# Altium PCB PCB.PcbDoc (part 1 of 2) (continued)
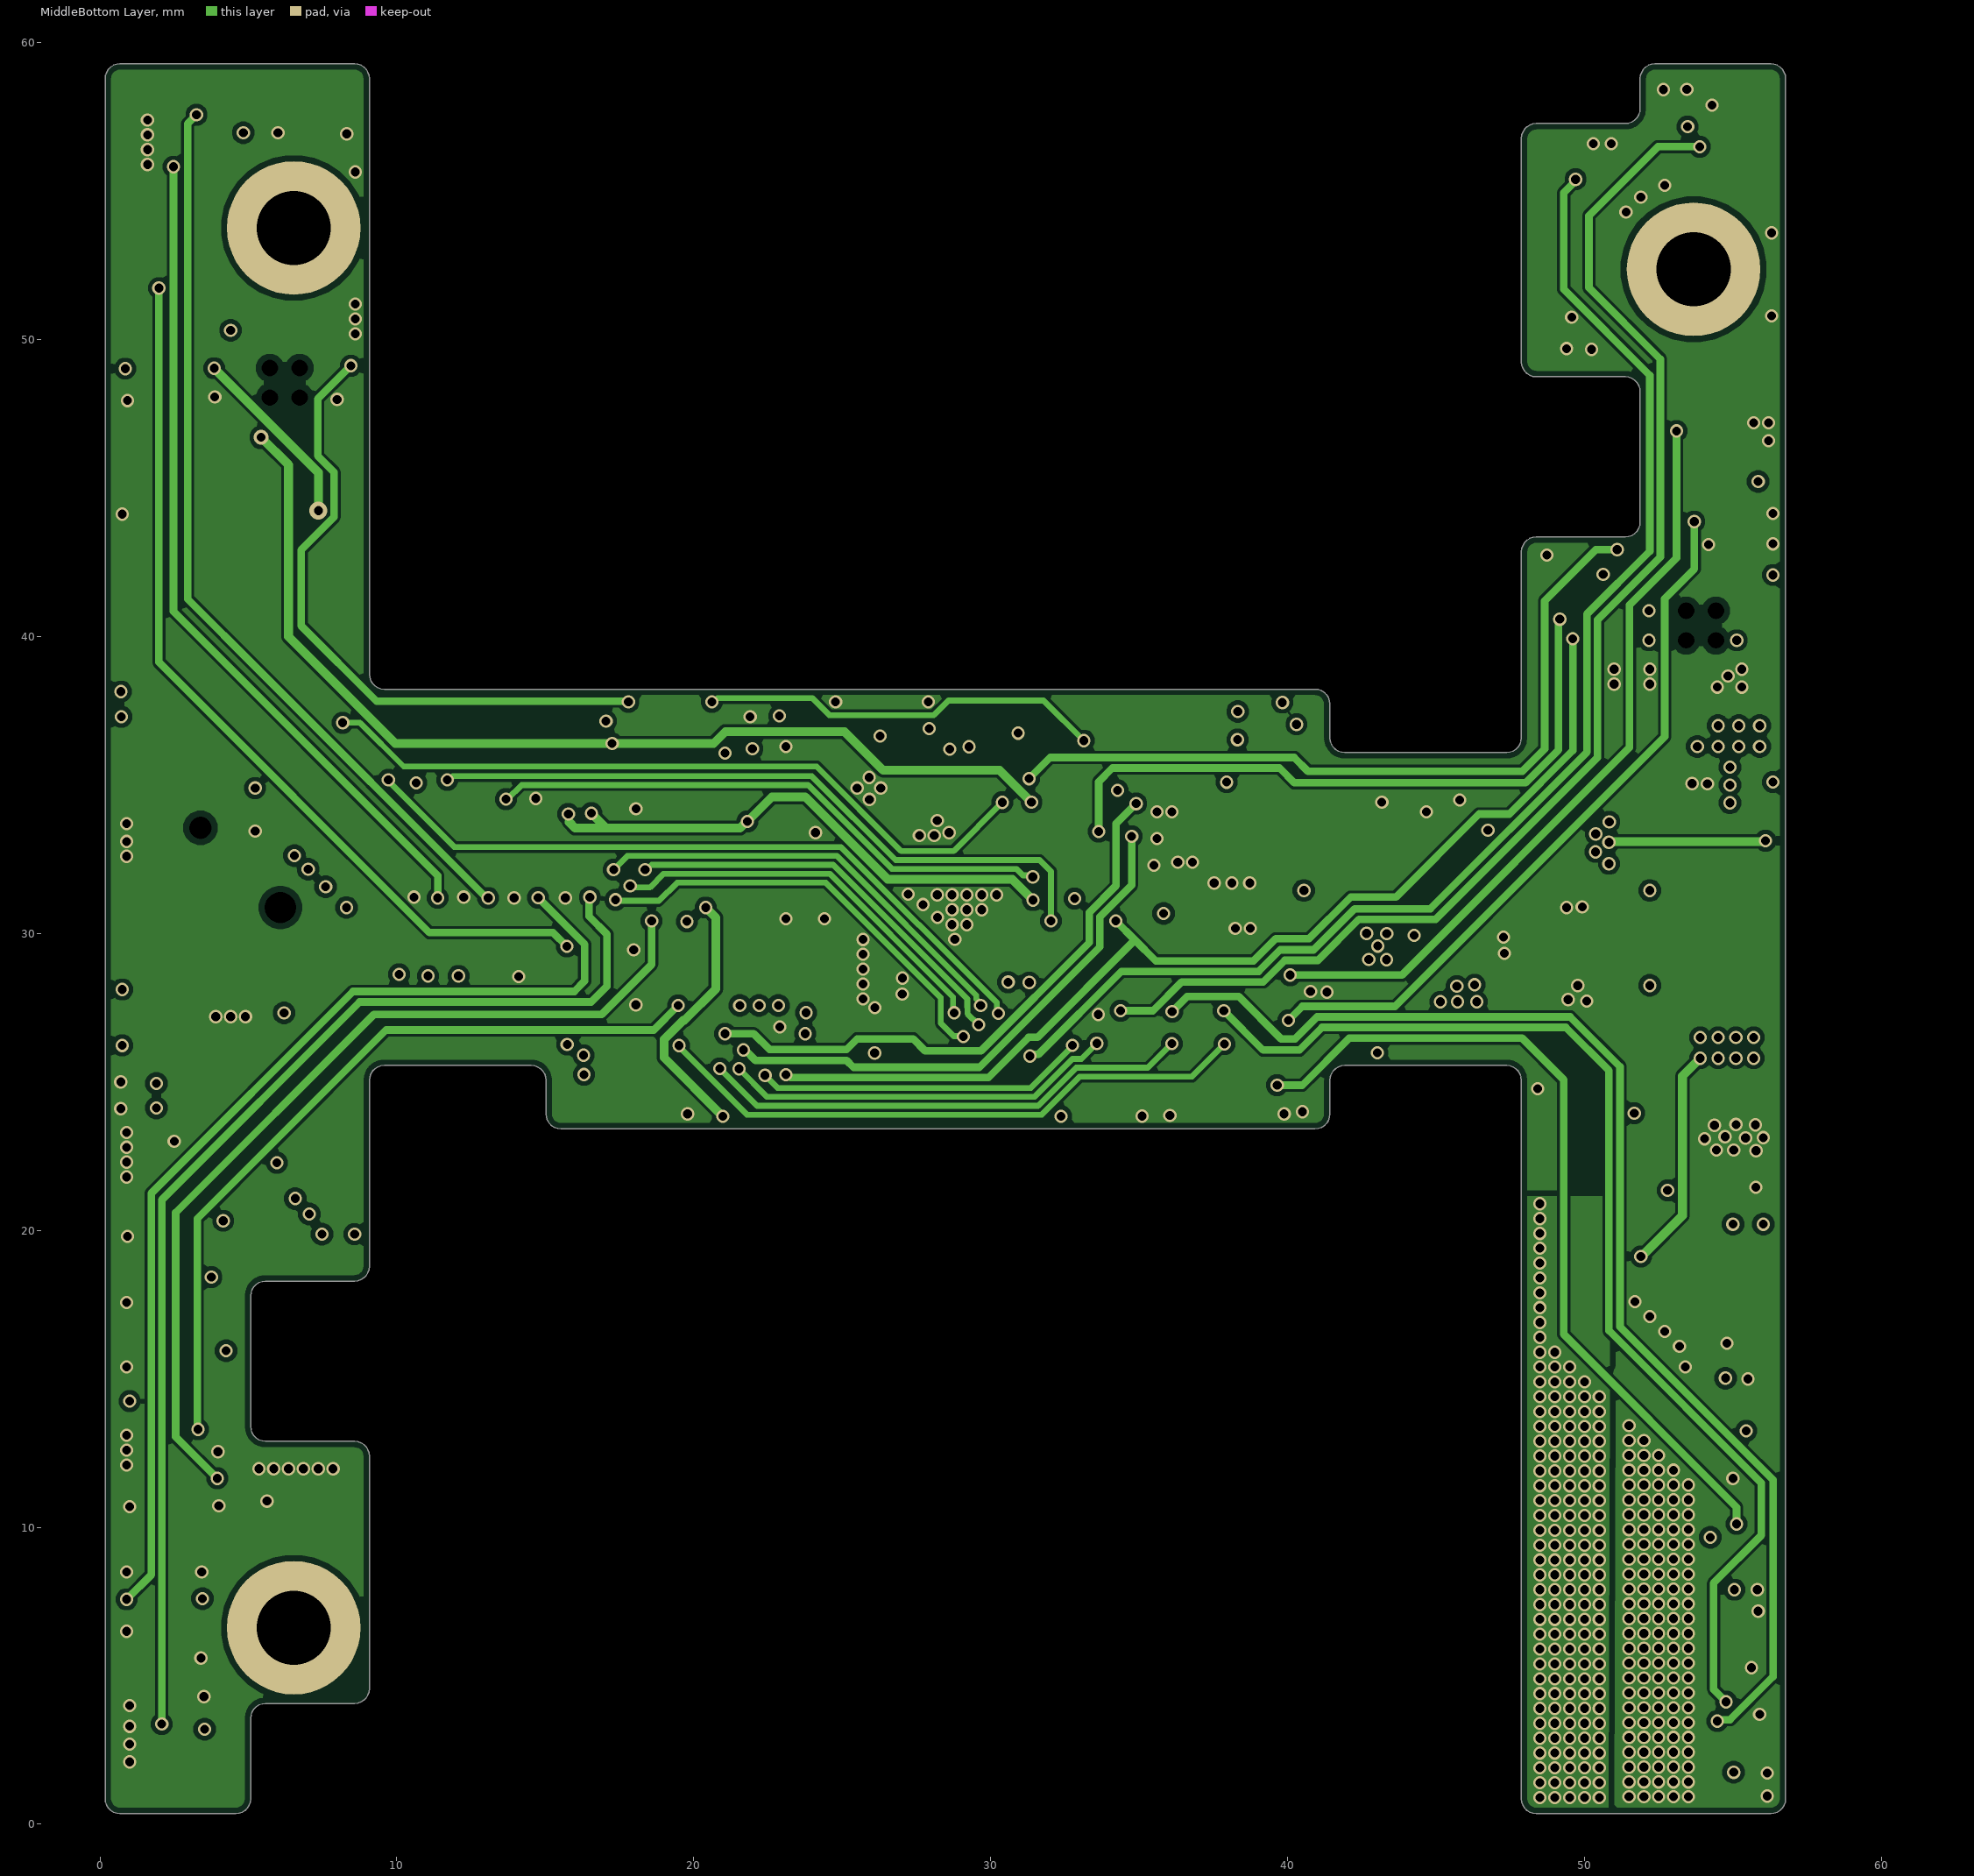
[diagram p3: MiddleBottom Layer]
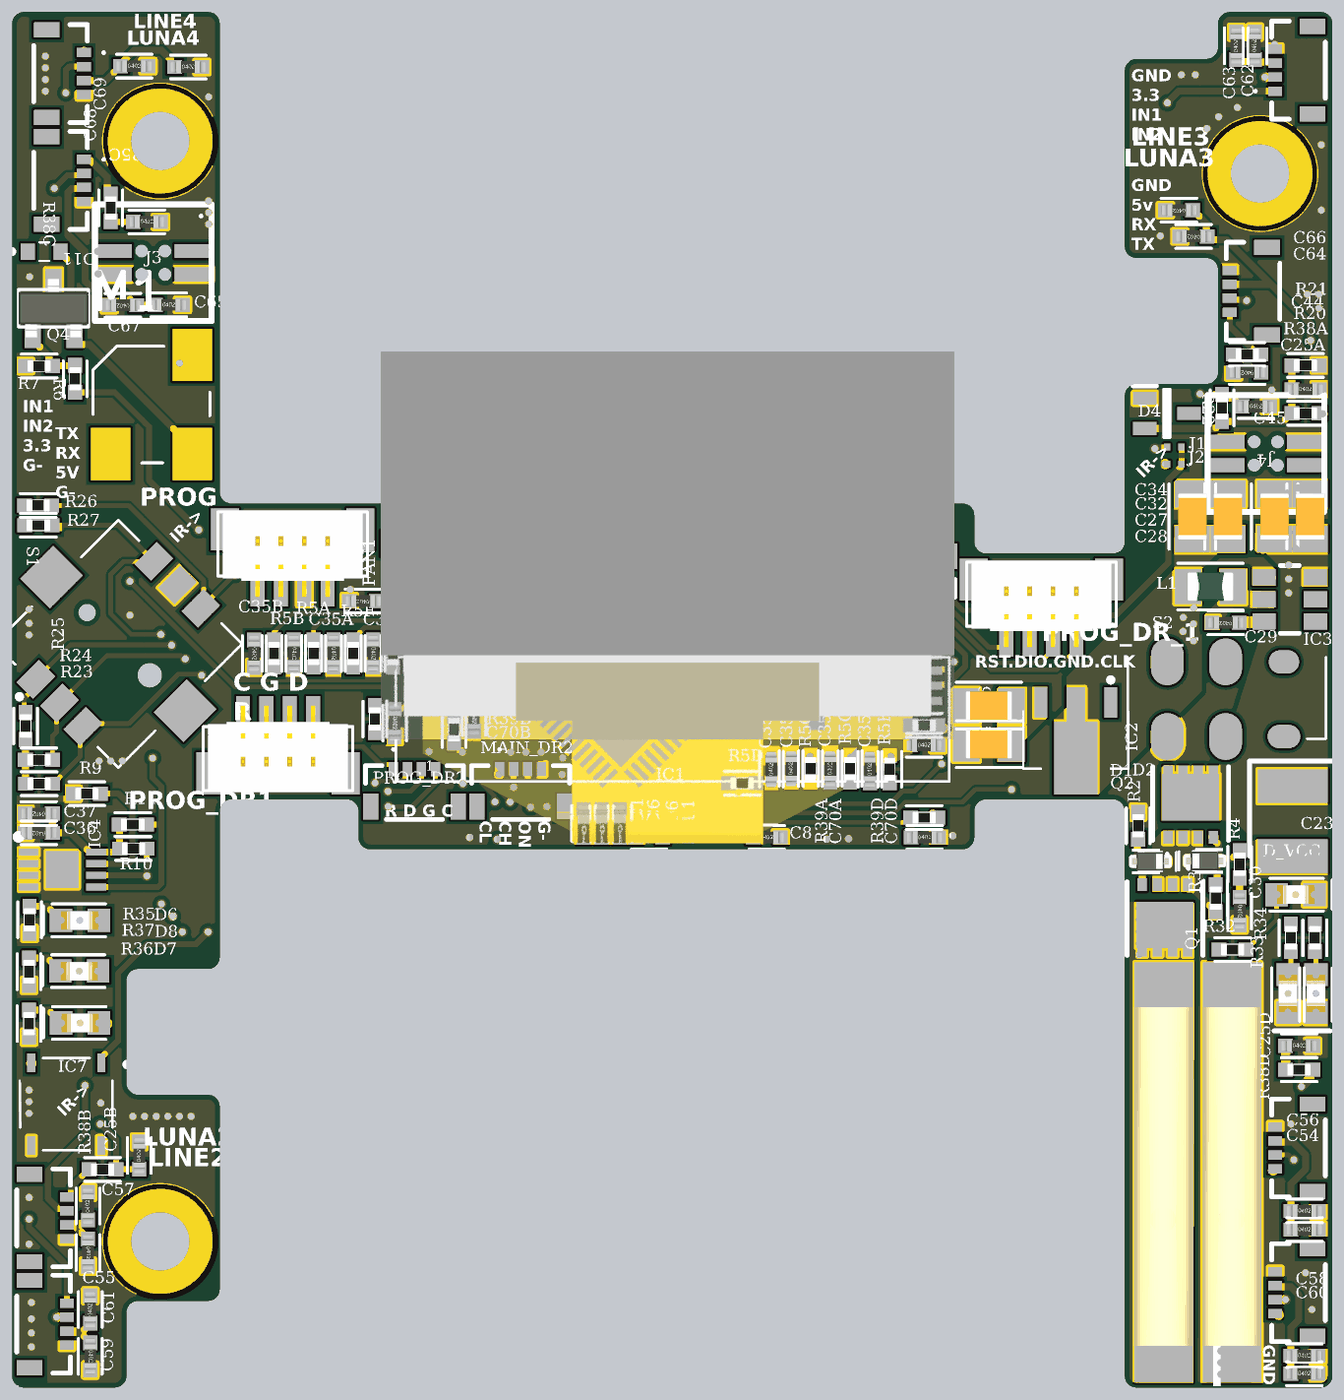
[diagram p5: 3D render of the assembled board from above, using the file's embedded part models]
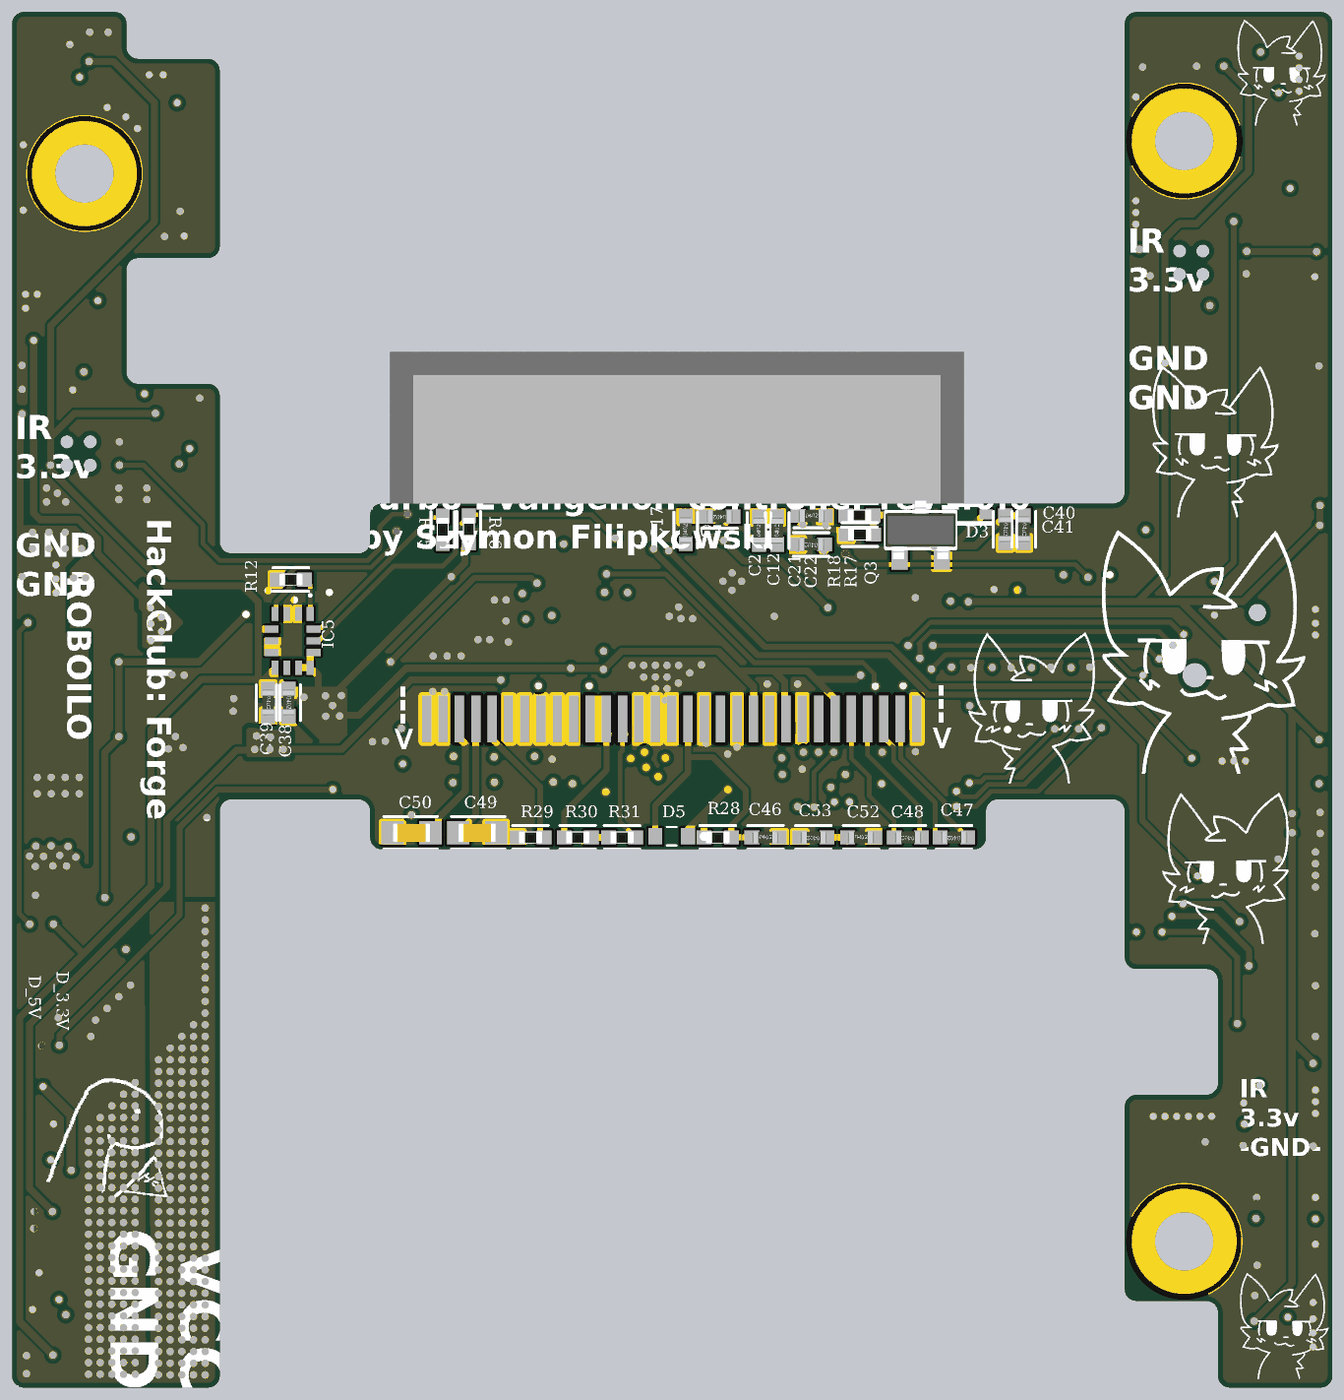
[diagram p6: 3D render of the assembled board from below, using the file's embedded part models]

## Layer stack, top to bottom
Top Solder: solder mask 0.0102, Solder Resist, Dk 3.5
Top Layer: signal copper 0.0356
Dielectric 2: prepreg 0.0711, PP-006, Dk 4.1
MiddleTop Layer: signal copper 0.035
Dielectric 1: dielectric 0.32, FR-4, Dk 4.8
MiddleBottom Layer: signal copper 0.035
Dielectric 3: prepreg 0.0711, PP-006, Dk 4.1
Bottom Layer: signal copper 0.0356
Bottom Solder: solder mask 0.0102, Solder Resist, Dk 3.5

## Board outline
8.575,18.293 8.686,18.306 8.792,18.342 8.887,18.402 8.966,18.481 9.025,18.576 9.062,18.682 9.075,18.793 9.075,25.056 9.088,25.168 9.125,25.273 9.184,25.368 9.263,25.447 9.358,25.507 9.464,25.544 9.575,25.556 14.525,25.556 14.636,25.544 14.742,25.507 14.837,25.447 14.916,25.368 14.975,25.273 15.012,25.168 15.025,25.056 15.025,23.92 15.038,23.809 15.075,23.703 15.134,23.608 15.213,23.529 15.308,23.47 15.414,23.433 15.525,23.42 40.925,23.42 41.036,23.433 41.142,23.47 41.237,23.529 41.316,23.608 41.375,23.703 41.412,23.809 41.425,23.92 41.425,25.056 41.438,25.168 41.475,25.273 41.534,25.368 41.613,25.447 41.708,25.507 41.814,25.544 41.925,25.556 47.375,25.556 47.486,25.544 47.592,25.507 47.687,25.447 47.766,25.368 47.825,25.273 47.862,25.168 47.875,25.056 47.875,0.856 47.888,0.745 47.925,0.64 47.984,0.545 48.063,0.466 48.158,0.406 48.264,0.369 48.375,0.356 56.275,0.356 56.386,0.369 56.492,0.406 56.587,0.466 56.666,0.545 56.725,0.64 56.762,0.745 56.775,0.856 56.775,58.794 56.762,58.905 56.725,59.01 56.666,59.105 56.587,59.184 56.492,59.244 56.386,59.281 56.275,59.294 52.375,59.294 52.264,59.281 52.158,59.244 52.063,59.184 51.984,59.105 51.925,59.01 51.888,58.905 51.875,58.794 51.875,57.782 51.862,57.67 51.825,57.565 51.766,57.47 51.687,57.391 51.592,57.331 51.486,57.294 51.375,57.282 48.375,57.282 48.264,57.269 48.158,57.232 48.063,57.172 47.984,57.093 47.925,56.998 47.888,56.893 47.875,56.782 47.875,49.251 47.888,49.14 47.925,49.034 47.984,48.939 48.063,48.86 48.158,48.801 48.264,48.764 48.375,48.751 51.375,48.751 51.486,48.739 51.592,48.702 51.687,48.642 51.766,48.563 51.825,48.468 51.862,48.362 51.875,48.251 51.875,43.857 51.862,43.746 51.825,43.64 51.766,43.545 51.687,43.466 51.592,43.407 51.486,43.37 51.375,43.357 48.375,43.357 48.264,43.345 48.158,43.308 48.063,43.248 47.984,43.169 47.925,43.074 47.888,42.968 47.875,42.857 47.875,36.594 47.862,36.482 47.825,36.377 47.766,36.282 47.687,36.203 47.592,36.143 47.486,36.106 47.375,36.094 41.925,36.094 41.814,36.106 41.708,36.143 41.613,36.203 41.534,36.282 41.475,36.377 41.438,36.482 41.425,36.594 41.425,37.73 41.412,37.841 41.375,37.947 41.316,38.042 41.237,38.121 41.142,38.18 41.036,38.217 40.925,38.23 9.575,38.23 9.464,38.243 9.358,38.279 9.263,38.339 9.184,38.418 9.125,38.513 9.088,38.619 9.075,38.73 9.075,58.794 9.062,58.905 9.025,59.01 8.966,59.105 8.887,59.184 8.792,59.244 8.686,59.281 8.575,59.294 0.675,59.294 0.564,59.281 0.458,59.244 0.363,59.184 0.284,59.105 0.225,59.01 0.188,58.905 0.175,58.794 0.175,0.856 0.188,0.745 0.225,0.64 0.284,0.545 0.363,0.466 0.458,0.406 0.564,0.369 0.675,0.356 4.575,0.356 4.686,0.369 4.792,0.406 4.887,0.466 4.966,0.545 5.025,0.64 5.062,0.745 5.075,0.856 5.075,3.569 5.088,3.68 5.125,3.785 5.184,3.88 5.263,3.959 5.358,4.019 5.464,4.056 5.575,4.069 8.575,4.069 8.686,4.081 8.792,4.118 8.887,4.178 8.966,4.257 9.025,4.352 9.062,4.457 9.075,4.569 9.075,12.399 9.062,12.51 9.025,12.616 8.966,12.711 8.887,12.79 8.792,12.849 8.686,12.886 8.575,12.899 5.575,12.899 5.464,12.911 5.358,12.948 5.263,13.008 5.184,13.087 5.125,13.182 5.088,13.288 5.075,13.399 5.075,17.793 5.088,17.904 5.125,18.01 5.184,18.105 5.263,18.184 5.358,18.243 5.464,18.28 5.575,18.293

## Design rules (kind name [scope] priority, off if disabled: settings)
BoardOutlineClearance [All] p1: gap=0.2 ignorepadtopadclearanceinfootprint=FALSE
Clearance [All] p1: gap=0.2 ignorepadtopadclearanceinfootprint=TRUE except(0.1: Arc-Arc Arc-Track Arc-SMDPad Arc-THPad Arc-Via Arc-Fill Arc-Poly Arc-Region Arc-Text Track-Track Track-SMDPad Track-THPad Track-Via Track-Fill Track-Poly Track-Region Track-Text; 0.15: SMDPad-SMDPad Via-Fill Via-Poly Via-Region)
ComponentClearance ComponentClearance_OLED [HasFootprint('oled flex 0.96')] p1: gap=-1000 collisioncheckmode=3 verticalgap=-1000 showdistances=FALSE // Oled dont give a fuck
ComponentClearance ComponentClearance_1 [All] p2: gap=0.254 collisioncheckmode=3 verticalgap=0.254 showdistances=FALSE
DiffPairsRouting [All] p1: maxlimit=10 minlimit=0.01 mostfreqgap=0.254 toplayer_minwidth=0.1 toplayer_maxwidth=2 toplayer_prefwidth=0.254 midlayer1_minwidth=0.1 midlayer1_maxwidth=2 midlayer1_prefwidth=0.254 midlayer2_minwidth=0.1 midlayer2_maxwidth=2 midlayer2_prefwidth=0.254 bottomlayer_minwidth=0.1 bottomlayer_maxwidth=2 bottomlayer_prefwidth=0.254 maxuncoupledlength=12.7
HoleSize [All] p1: absolutevalues=TRUE maxlimit=6 minlimit=0.3 maxpercent=80.000 minpercent=20.000
HoleToHoleClearance [All] p1: gap=0.2 allowstackedmicrovias=TRUE
MinimumSolderMaskSliver [All] p1: minsoldermaskwidth=0.13
PlaneClearance [All] p1: clearance=0.3
PlaneConnect PlaneConnect_1 [(HasFootprint('R 2512'))] p1: planeconnectstyle=Relief reliefexpansion=0.508 reliefentries=4 reliefconductorwidth=0.254 reliefairgap=0.254
PlaneConnect [All] p2: planeconnectstyle=Relief reliefexpansion=0.508 reliefentries=4 reliefconductorwidth=0.254 reliefairgap=0.254
PolygonConnect "Polygon Power Connection" [(HasFootprint('DFN 5x6')) OR  (HasFootprint('R 2512')) OR  IsVia OR  HasFootprint('SMD PAD')  OR  (HasFootprint('DJNR60454R5FERROCORE'))  OR  (HasFootprint ('SON50P200X200X80-9N-D')) OR (HasFootprint('SOT230P700X180-4N'))  OR    InNetClass('Power')] p1: connectstyle=Direct reliefconductorwidth=0.254 reliefentries=4 polygonreliefangle="90 Angle" airgapwidth=0.254 // Conection to high power components
PolygonConnect [All] p2: connectstyle=Direct reliefconductorwidth=0.254 reliefentries=4 polygonreliefangle="90 Angle" airgapwidth=0.254
RoutingVias [All] p1: holewidth=0.3 width=0.45 viastyle="Through Hole" minholewidth=0.3 minwidth=0.4 maxholewidth=6 maxwidth=1.27
SilkToSilkClearance [All] p1: silktosilkclearance=0.127
SilkToSolderMaskClearance [IsPad] p1: minsilkscreentomaskgap=0.15 clearancetoexposedcopper=TRUE
SolderMaskExpansion "Tented Vias" [IsVia] p1: expansion=0.102 istentingtop=TRUE
SolderMaskExpansion [All] p2: expansion=0.102 istentingtop=FALSE
Width [All] p1: maxlimit=1 minlimit=0.1 preferedwidth=0.254
21 further rules are at their usual default settings.

## Classes and differential pairs
component class U_Uart_LowPass_HighFreqFilterD: C25D C70D R38D R39D
channel class Uart_LowPass_HighFreqFilter: U_Uart_LowPass_HighFreqFilterB
component class U_Uart_LowPass_HighFreqFilterA: C25A C70A R38A R39A
component class U_Uart_LowPass_HighFreqFilterB: C25B C70B R38B R39B
component class U_Uart_LowPass_HighFreqFilterC: C25C C70C R38C R39C
channel class ADC_low_pass_filter: U_ADC_low_pass_filterA U_ADC_low_pass_filterB U_ADC_low_pass_filterC U_ADC_low_pass_filterD U_ADC_low_pass_filterE U_ADC_low_pass_filterF U_ADC_low_pass_filterG U_ADC_low_pass_filterH
component class U_Start_mod: C30 D6 D7 D8 IC7 J1 R35 R36 R37
component class U_Sensor_connectors: ] C54 C55 C56 C57 C58 C59 C60 C61 C62 C63 C64 C65 C66 C67 C68 C69 LINE1 LINE2 LINE3 LINE4 LUNA1 LUNA2 LUNA3 LUNA4 x
component class U_PWRButton: S2
component class U_Power_supply: C23 C24 C26 C27 C28 C29 C32 C34 D1 D2 GND IC2 IC3 L1 Q1 Q2 R2 R3 R4 VCC x
component class U_OledAndLed: 1 C46 C47 C48 C49 C50 C52 C53 d D5 D_3.3V D_5V D_VCC OLED1 R28 R29 R30 R31 R32 R33 R34 x
component class U_MCU: C1 C2 C5 C6 C7 C8 C10 C11 C12 C13 C14 C16 C17 C18 C19 C21 C22 C31 IC1 R1 sdt x Y1
component class U_MCU_2: C42 C43 C45 D4 R19 R20 R21 R22 x
component class U_Interface: MAIN_DR1 MAIN_DR2 PROG PROG_DR1 PROG_DR2 PROG_DR3 PROG_DR_1 R23 R24 R25 R26 R27 S1
component class U_IMU: C38 C39 IC5 R12 R15 R16 x
component class U_ADC_low_pass_filterH: C35H R5H
component class U_ADC_low_pass_filterG: C35G R5G
component class U_ADC_low_pass_filterF: C35F R5F
component class U_ADC_low_pass_filterE: C35E R5E
component class U_ADC_low_pass_filterD: C35D R5D
component class U_ADC_low_pass_filterC: C35C R5C
component class U_ADC_low_pass_filterB: C35B R5B
component class U_ADC_low_pass_filterA: C35A R5A
component class PCB: R17

## Components (designator, comment, footprint, x,y, rotation, side; value= is the part's Value field where it differs from the comment)
C1 "1uF" "C 0402" 24.675,24.525 r270 top
C2 "1uF" "C 0402" 24.75,37.075 r90 bottom
C5 "1uF" "C 0402" 15.216,34.05 r180 top
C6 "1uF" "C 0402" 25.45,24.525 r270 top
C7 "1uF" "C 0402" 26.45,37.675 r0 bottom
C8 "100nF" "C 0402" 32.525,23.925 r0 top (schematic designator C3)
C10 "100nF" "C 0402" 17.125,34.05 r0 top
C11 "100nF" "C 0402" 27.484,23.925 r180 top
C12 "100nF" "C 0402" 23.975,37.075 r90 bottom
C13 "1uF" "C 0402" 25.3,37.675 r180 top
C14 "1uF" "C 0402" 32.475,31.825 r90 top
C16 "100nF" "C 0402" 26.225,24.525 r270 top
C17 "100nF" "C 0402" 27.9,37.1 r90 bottom
C18 "100nF" "C 0402" 27.3,37.675 r0 top
C19 "100nF" "C 0402" 33.275,31.825 r90 top
C21 "10pF" "C 0402" 22.491,37.7 r180 bottom
C22 "10pF" "C 0402" 22.525,36.475 r0 bottom
C23 "TL8B0336M020C (33uF tantalum cap)" CAPPC3528X100N 55.075,24.625 r270 top
C24 "22uF" "C 0805" 42.05,27.925 r180 top
C25A "1000pF / 1nF" "C 0402" 53.125,43.85 r180 top (schematic designator C25)
C25B "1000pF / 1nF" "C 0402" 5.625,10.3 r90 top (schematic designator C25)
C25C "1000pF / 1nF" "C 0402" 5.95,50.3 r0 top (schematic designator C25)
C25D "1000pF / 1nF" "C 0402" 55.35,15 r0 top (schematic designator C25)
C26 "10uF" "C 0805" 42.05,29.575 r180 top
C27 "22uF 16V" "C 0805" 54.3,37.675 r90 top
C28 "10uF 16v" "C 0805" 55.825,37.675 r270 top
C29 "100nF" "C 0402" 52.2,33.125 r180 top
C30 "1uF" "C 0402" 52.8,20.766 r270 top
C31 "100nF" "C 0402" 21.025,36.25 r90 top
C32 "22uF 16V" "C 0805" 52.3,37.675 r90 top
C34 "10uF 16v" "C 0805" 50.775,37.675 r90 top
C35A "100nF" "C 0402" 12.25,31.809 r270 top (schematic designator C35)
C35B "100nF" "C 0402" 10.55,31.8 r270 top (schematic designator C35)
C35C "100nF" "C 0402" 33.575,26.875 r90 top (schematic designator C35)
C35D "100nF" "C 0402" 32.725,26.85 r90 top (schematic designator C35)
C35E "100nF" "C 0402" 15.65,31.809 r270 top (schematic designator C35)
C35F "100nF" "C 0402" 13.95,31.809 r270 top (schematic designator C35)
C35G "100nF" "C 0402" 35.25,26.875 r90 top (schematic designator C35)
C35H "100nF" "C 0402" 36.95,26.85 r90 top (schematic designator C35)
C36 "1uF" "C 0402" 1.316,24.125 r180 top
C37 "100nF" "C 0402" 1.316,24.95 r180 top
C38 "1uF" "C 0402" 44.925,29.7 r270 bottom
C39 "100nF" "C 0402" 45.8,29.7 r270 bottom
C40 "1uF" "C 0402" 14.2,37.125 r270 bottom
C41 "100nF" "C 0402" 13.4,37.125 r270 bottom
C42 "1uF" "C 0402" 34.7,31.709 r90 top
C43 "100nF" "C 0402" 35.5,31.709 r90 top
C44 "1uF" "C 0402" 55.625,43.125 r0 top
C45 "1uF" "C 0402" 53.499,42.391 r0 top
C46 "1uF" "C 0402" 24.475,23.925 r180 bottom
C47 "1uF" "C 0402" 16.4,23.925 r0 bottom
C48 "1uF" "C 0402" 18.375,23.925 r0 bottom
C49 "2.2uF" "C 0603" 36.838,24.125 r180 bottom
C50 "4.7uF" "C 0603" 39.65,24.125 r0 bottom
C52 "1uF" "C 0402" 20.375,23.925 r180 bottom
C53 "100nF" "C 0402" 22.425,23.925 r0 bottom
C54 "1uF" "C 0402" 55.584,7.125 r0 top
C55 "1uF" "C 0402" 3.425,6.141 r270 top
C56 "100nF" "C 0402" 55.584,7.925 r0 top
C57 "100nF" "C 0402" 3.425,8.134 r90 top
C58 "1uF" "C 0402" 55.575,1.725 r0 top
C59 "1uF" "C 0402" 3.525,1.691 r270 top
C60 "100nF" "C 0402" 55.575,0.95 r0 top
C61 "100nF" "C 0402" 3.525,3.7 r90 top
C62 "1uF" "C 0402" 53.45,57.844 r90 top
C63 "100nF" "C 0402" 52.657,57.84 r90 top
C64 "1uF" "C 0402" 50.825,49.675 r180 top
C65 "1uF" "C 0402" 6.892,46.741 r0 top
C66 "100nF" "C 0402" 50.2,50.8 r180 top
C67 "100nF" "C 0402" 4.925,46.725 r180 top
C68 "1uF" "C 0402" 7.726,56.933 r0 top
C69 "100nF" "C 0402" 5.412,56.971 r0 top
C70A "1000pF / 1nF" "C 0402" 39.275,27.875 r0 top (schematic designator C70)
C70B "1000pF / 1nF" "C 0402" 19.975,29.075 r270 top (schematic designator C70)
C70C "1000pF / 1nF" "C 0402" 16.575,28.825 r270 top (schematic designator C70)
C70D "1000pF / 1nF" "C 0402" 39.3,23.925 r0 top (schematic designator C70)
D1 "16V" SOD523 48.975,22.9 r0 top
D2 "16V" SOD523 51.3,22.925 r180 top